# Altium PCB radioboard.PcbDoc (part 4 of 9) (continued)
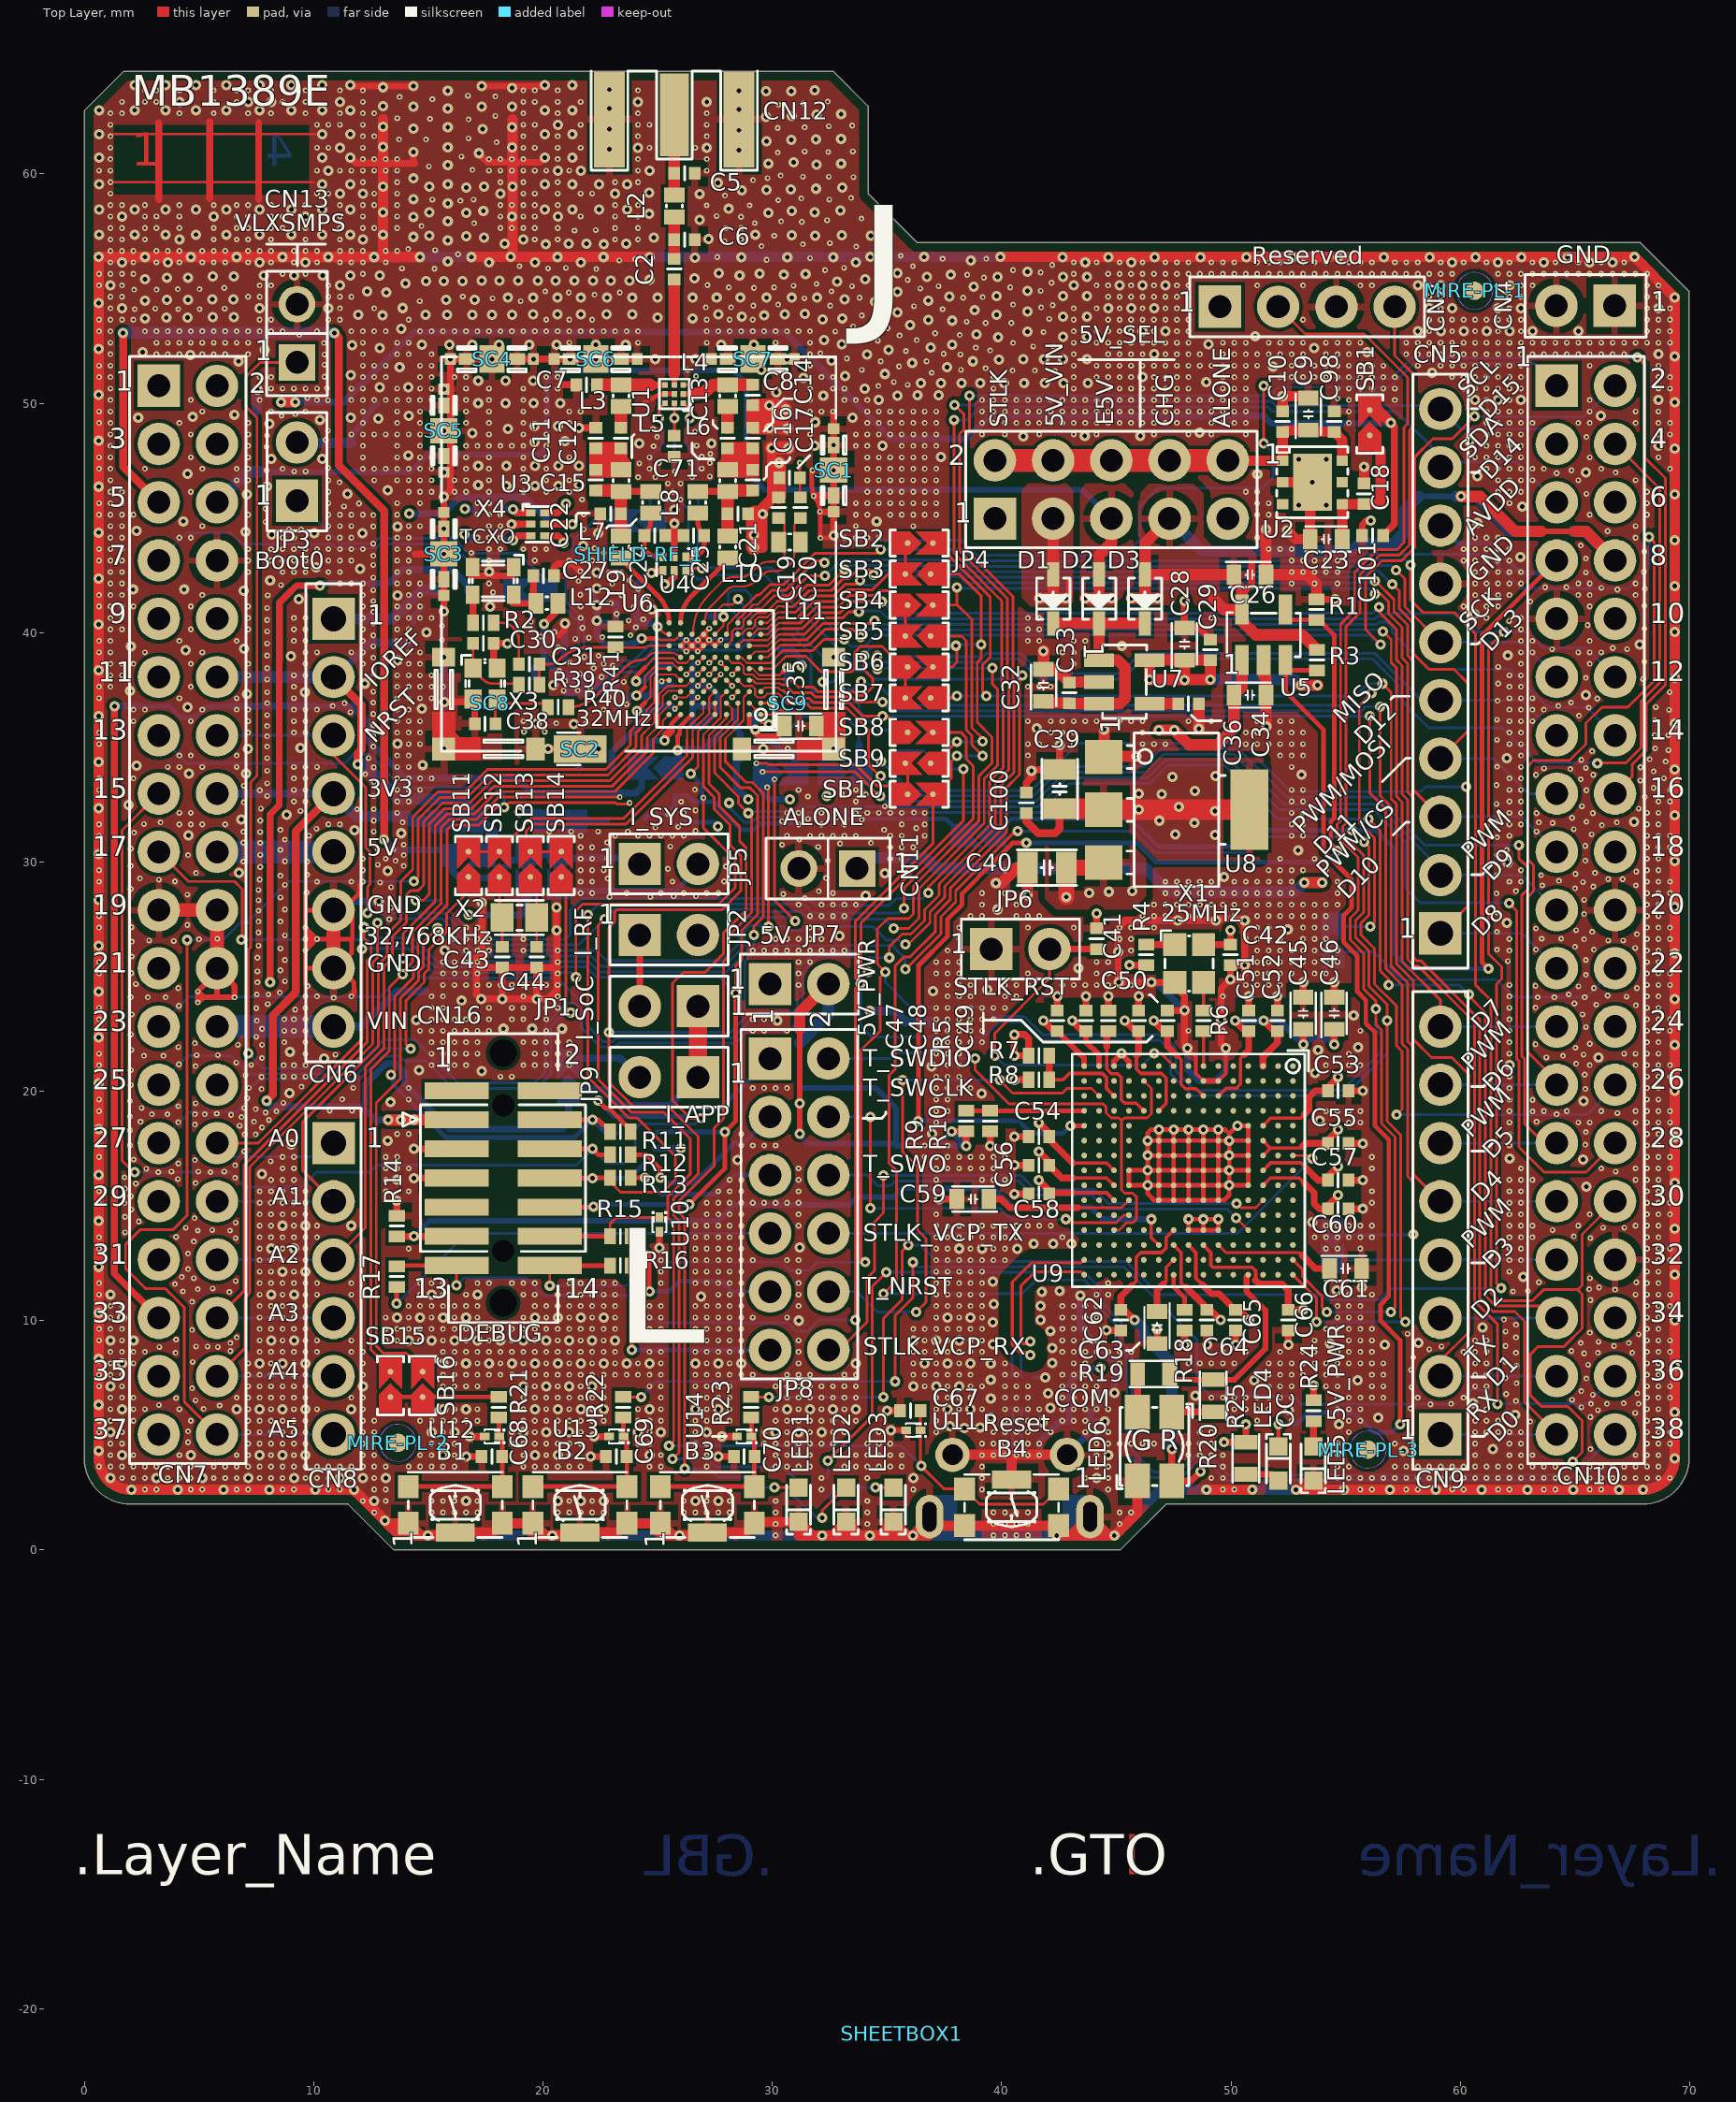
[diagram p0: Top Layer view]
## Nets (pads, with @x,y where several pads share a name; then routed paths per layer and width w, separated by ;. In a path a pad name is that pad's centre, name@x,y a point inside that pad or via, vN(x,y) a via of type N, cw(c..) or ccw(c..) an arc to the next point about the centre after c; other vN are vias at no path point) (continued)
55.143,14.638 56.643,14.638 57.143,14.638 57.643,14.638 60.643,14.638 61.143,14.638 61.643,14.638 62.143,14.638 62.643,14.638 63.143,14.638 65.643,14.638 68.143,14.638 0.643,15.138 1.143,15.138 1.643,15.138 12.143,15.138 12.643,15.138 13.143,15.138 14.143,15.138 14.643,15.138 15.143,15.138 15.643,15.138 16.143,15.138 16.643,15.138 17.143,15.138 18.643,15.138 19.143,15.138 19.643,15.138 20.143,15.138 20.643,15.138 21.143,15.138 21.643,15.138 51.143,15.138 52.143,15.138 52.643,15.138 53.143,15.138 53.643,15.138 54.143,15.138 55.143,15.138 56.143,15.138 56.643,15.138 57.143,15.138 57.643,15.138 68.143,15.138 0.643,15.638 1.143,15.638 1.643,15.638 2.143,15.638 4.643,15.638 12.143,15.638 12.643,15.638 13.143,15.638 14.143,15.638 14.643,15.638 15.143,15.638 15.643,15.638 16.143,15.638 16.643,15.638 18.143,15.638 18.643,15.638 19.143,15.638 31.143,15.638 44.643,15.638 45.143,15.638 45.643,15.638 47.143,15.638 47.643,15.638 48.143,15.638 48.643,15.638 49.143,15.638 50.643,15.638 51.143,15.638 51.643,15.638 52.643,15.638 53.143,15.638 53.643,15.638 54.143,15.638 55.143,15.638 55.643,15.638 56.143,15.638 56.643,15.638 57.143,15.638 57.643,15.638 60.643,15.638 61.143,15.638 61.643,15.638 62.143,15.638 62.643,15.638 68.143,15.638 1.143,16.138 1.643,16.138 4.143,16.138 4.643,16.138 7.143,16.138 8.143,16.138 8.643,16.138 9.143,16.138 11.643,16.138 12.143,16.138 12.643,16.138 13.143,16.138 15.143,16.138 15.643,16.138 16.143,16.138 17.643,16.138 18.143,16.138 18.643,16.138 20.143,16.138 20.643,16.138 21.143,16.138 21.643,16.138 27.643,16.138 31.143,16.138 42.143,16.138 42.643,16.138 43.143,16.138 43.643,16.138 44.143,16.138 44.643,16.138 45.143,16.138 45.643,16.138 47.143,16.138 47.643,16.138 48.143,16.138 48.643,16.138 49.143,16.138 50.643,16.138 51.143,16.138 51.643,16.138 52.143,16.138 53.143,16.138 53.643,16.138 54.143,16.138 55.143,16.138 56.643,16.138 57.143,16.138 57.643,16.138 58.143,16.138 60.143,16.138 60.643,16.138 61.143,16.138 61.643,16.138 62.143,16.138 62.643,16.138 63.143,16.138 67.643,16.138 68.143,16.138 1.143,16.638 1.643,16.638 6.643,16.638 7.143,16.638 8.643,16.638 9.143,16.638 9.643,16.638 26.143,16.638 28.143,16.638 31.143,16.638 36.643,16.638 37.143,16.638 37.643,16.638 39.143,16.638 39.643,16.638 41.143,16.638 42.143,16.638 42.643,16.638 43.143,16.638 43.643,16.638 44.143,16.638 44.643,16.638 45.143,16.638 45.643,16.638 47.143,16.638 47.643,16.638 48.143,16.638 48.643,16.638 49.143,16.638 50.643,16.638 51.143,16.638 51.643,16.638 52.143,16.638 52.643,16.638 54.143,16.638 55.143,16.638 55.643,16.638 56.143,16.638 56.643,16.638 57.143,16.638 57.643,16.638 58.143,16.638 58.643,16.638 59.643,16.638 60.143,16.638 60.643,16.638 61.143,16.638 61.643,16.638 62.643,16.638 63.143,16.638 63.643,16.638 64.643,16.638 65.643,16.638 66.143,16.638 67.143,16.638 67.643,16.638 68.143,16.638 0.643,17.138 1.143,17.138 1.643,17.138 2.143,17.138 12.143,17.138 12.643,17.138 13.143,17.138 13.643,17.138 15.143,17.138 16.643,17.138 17.143,17.138 17.643,17.138 19.143,17.138 19.643,17.138 20.143,17.138 20.643,17.138 21.143,17.138 26.643,17.138 31.143,17.138 33.643,17.138 34.143,17.138 34.643,17.138 35.143,17.138 36.643,17.138 37.143,17.138 37.643,17.138 39.143,17.138 39.643,17.138 40.143,17.138 41.143,17.138 42.143,17.138 42.643,17.138 43.143,17.138 43.643,17.138 44.143,17.138 44.643,17.138 45.143,17.138 45.643,17.138 47.143,17.138 47.643,17.138 48.143,17.138 48.643,17.138 49.143,17.138 50.643,17.138 51.143,17.138 51.643,17.138 52.143,17.138 52.643,17.138 54.143,17.138 55.143,17.138 55.643,17.138 56.143,17.138 56.643,17.138 57.143,17.138 57.643,17.138 60.143,17.138 60.643,17.138 61.143,17.138 61.643,17.138 62.643,17.138 63.143,17.138 68.143,17.138 0.643,17.638 1.143,17.638 1.643,17.638 7.143,17.638 7.643,17.638 8.143,17.638 9.643,17.638 12.143,17.638 12.643,17.638 16.143,17.638 16.643,17.638 17.143,17.638 18.643,17.638 19.143,17.638 19.643,17.638 20.143,17.638 20.643,17.638 21.143,17.638 21.643,17.638 26.643,17.638 27.143,17.638 40.143,17.638 41.143,17.638 42.143,17.638 42.643,17.638 43.143,17.638 43.643,17.638 44.143,17.638 44.643,17.638 45.143,17.638 45.643,17.638 47.143,17.638 47.643,17.638 48.143,17.638 48.643,17.638 49.143,17.638 50.643,17.638 51.143,17.638 51.643,17.638 52.143,17.638 52.643,17.638 53.143,17.638 53.643,17.638 54.143,17.638 55.143,17.638 56.643,17.638 57.143,17.638 57.643,17.638 68.143,17.638 1.143,18.138 1.643,18.138 2.143,18.138 7.143,18.138 7.643,18.138 8.143,18.138 8.643,18.138 9.143,18.138 9.643,18.138 12.143,18.138 12.643,18.138 13.643,18.138 14.143,18.138 14.643,18.138 38.643,18.138 39.143,18.138 39.643,18.138 43.643,18.138 44.143,18.138 44.643,18.138 45.143,18.138 45.643,18.138 50.643,18.138 51.143,18.138 51.643,18.138 55.143,18.138 56.143,18.138 56.643,18.138 57.143,18.138 57.643,18.138 65.643,18.138 68.143,18.138 1.143,18.638 1.643,18.638 2.143,18.638 6.643,18.638 7.143,18.638 7.643,18.638 8.143,18.638 8.643,18.638 9.143,18.638 9.643,18.638 12.143,18.638 42.143,18.638 43.643,18.638 44.143,18.638 44.643,18.638 45.143,18.638 45.643,18.638 46.143,18.638 51.143,18.638 52.643,18.638 53.143,18.638 55.143,18.638 55.643,18.638 56.143,18.638 56.643,18.638 57.643,18.638 58.143,18.638 65.143,18.638 65.643,18.638 67.643,18.638 68.143,18.638 0.643,19.138 1.143,19.138 1.643,19.138 2.143,19.138 2.643,19.138 3.643,19.138 4.143,19.138 7.143,19.138 7.643,19.138 17.143,19.138 19.143,19.138 19.643,19.138 20.143,19.138 36.643,19.138 37.143,19.138 37.643,19.138 38.143,19.138 38.643,19.138 39.143,19.138 39.643,19.138 40.143,19.138 40.643,19.138 41.143,19.138 42.143,19.138 42.643,19.138 43.143,19.138 43.643,19.138 44.143,19.138 44.643,19.138 45.143,19.138 45.643,19.138 46.143,19.138 46.643,19.138 47.143,19.138 47.643,19.138 48.143,19.138 48.643,19.138 49.143,19.138 49.643,19.138 50.143,19.138 50.643,19.138 52.143,19.138 52.643,19.138 53.143,19.138 53.643,19.138 54.143,19.138 55.143,19.138 55.643,19.138 56.143,19.138 56.643,19.138 66.143,19.138 67.143,19.138 67.643,19.138 68.143,19.138 0.643,19.638 1.143,19.638 1.643,19.638 2.143,19.638 4.643,19.638 15.643,19.638 16.643,19.638 17.143,19.638 19.143,19.638 19.643,19.638 35.643,19.638 37.143,19.638 37.643,19.638 38.143,19.638 38.643,19.638 39.643,19.638 40.143,19.638 40.643,19.638 41.143,19.638 42.143,19.638 42.643,19.638 43.143,19.638 43.643,19.638 44.143,19.638 44.643,19.638 45.143,19.638 45.643,19.638 46.143,19.638 46.643,19.638 47.143,19.638 47.643,19.638 56.143,19.638 56.643,19.638 57.143,19.638 57.643,19.638 58.143,19.638 68.143,19.638 1.143,20.138 1.643,20.138 8.143,20.138 9.643,20.138 10.143,20.138 10.643,20.138 11.143,20.138 11.643,20.138 15.143,20.138 15.643,20.138 36.143,20.138 37.643,20.138 38.143,20.138 38.643,20.138 41.143,20.138 56.643,20.138 57.143,20.138 57.643,20.138 68.143,20.138 1.143,20.638 1.643,20.638 4.643,20.638 15.143,20.638 33.643,20.638 34.143,20.638 50.643,20.638 51.143,20.638 51.643,20.638 52.143,20.638 52.643,20.638 53.143,20.638 54.143,20.638 56.643,20.638 57.143,20.638 57.643,20.638 60.643,20.638 61.143,20.638 61.643,20.638 62.143,20.638 62.643,20.638 68.143,20.638 0.643,21.138 1.143,21.138 1.643,21.138 2.143,21.138 4.643,21.138 16.643,21.138 19.143,21.138 19.643,21.138 35.643,21.138 36.143,21.138 46.643,21.138 48.143,21.138 48.643,21.138 49.143,21.138 49.643,21.138 50.143,21.138 50.643,21.138 51.143,21.138 51.643,21.138 52.143,21.138 52.643,21.138 53.143,21.138 54.143,21.138 55.143,21.138 57.143,21.138 57.643,21.138 58.143,21.138 60.143,21.138 60.643,21.138 61.143,21.138 61.643,21.138 62.643,21.138 63.143,21.138 65.143,21.138 65.643,21.138 67.643,21.138 68.143,21.138 0.643,21.638 1.143,21.638 1.643,21.638 2.143,21.638 2.643,21.638 3.143,21.638 3.643,21.638 4.143,21.638 7.643,21.638 8.143,21.638 9.643,21.638 16.143,21.638 16.643,21.638 17.143,21.638 19.643,21.638 48.643,21.638 49.143,21.638 50.643,21.638 51.143,21.638 51.643,21.638 52.143,21.638 52.643,21.638 55.143,21.638 57.143,21.638 57.643,21.638 58.143,21.638 58.643,21.638 59.143,21.638 59.643,21.638 60.143,21.638 60.643,21.638 61.143,21.638 61.643,21.638 62.143,21.638 62.643,21.638 63.143,21.638 63.643,21.638 64.143,21.638 64.643,21.638 65.143,21.638 66.643,21.638 67.143,21.638 67.643,21.638 68.143,21.638 1.143,22.138 1.643,22.138 2.143,22.138 4.643,22.138 15.643,22.138 16.143,22.138 16.643,22.138 17.143,22.138 19.143,22.138 19.643,22.138 48.643,22.138 49.143,22.138 50.643,22.138 51.143,22.138 51.643,22.138 52.143,22.138 56.143,22.138 57.143,22.138 57.643,22.138 58.143,22.138 60.143,22.138 60.643,22.138 61.143,22.138 61.643,22.138 62.143,22.138 62.643,22.138 63.143,22.138 65.643,22.138 68.143,22.138 1.143,22.638 1.643,22.638 15.143,22.638 15.643,22.638 16.143,22.638 16.643,22.638 17.143,22.638 17.643,22.638 47.643,22.638 48.143,22.638 48.643,22.638 49.143,22.638 49.643,22.638 50.643,22.638 51.143,22.638 51.643,22.638 53.143,22.638 55.143,22.638 55.643,22.638 57.143,22.638 57.643,22.638 68.143,22.638 0.643,23.138 1.143,23.138 1.643,23.138 4.643,23.138 15.143,23.138 15.643,23.138 35.643,23.138 36.143,23.138 47.143,23.138 47.643,23.138 48.643,23.138 52.643,23.138 53.143,23.138 53.643,23.138 57.643,23.138 60.643,23.138 61.143,23.138 61.643,23.138 62.143,23.138 62.643,23.138 68.143,23.138 0.643,23.638 1.143,23.638 1.643,23.638 2.143,23.638 4.643,23.638 15.143,23.638 20.143,23.638 40.643,23.638 41.143,23.638 41.643,23.638 42.143,23.638 42.643,23.638 43.143,23.638 43.643,23.638 44.143,23.638 44.643,23.638 46.143,23.638 46.643,23.638 47.143,23.638 48.643,23.638 49.143,23.638 49.643,23.638 50.143,23.638 50.643,23.638 51.143,23.638 51.643,23.638 52.143,23.638 52.643,23.638 53.143,23.638 53.643,23.638 57.143,23.638 57.643,23.638 58.143,23.638 60.143,23.638 60.643,23.638 61.143,23.638 61.643,23.638 62.143,23.638 62.643,23.638 63.143,23.638 65.143,23.638 65.643,23.638 67.643,23.638 68.143,23.638 1.143,24.138 1.643,24.138 2.143,24.138 2.643,24.138 3.143,24.138 3.643,24.138 19.143,24.138 34.643,24.138 38.643,24.138 41.143,24.138 41.643,24.138 43.143,24.138 46.643,24.138 47.143,24.138 47.643,24.138 48.143,24.138 48.643,24.138 49.143,24.138 49.643,24.138 50.143,24.138 52.643,24.138 53.143,24.138 53.643,24.138 54.143,24.138 55.643,24.138 56.143,24.138 56.643,24.138 57.143,24.138 57.643,24.138 58.143,24.138 58.643,24.138 59.143,24.138 59.643,24.138 61.143,24.138 61.643,24.138 66.143,24.138 66.643,24.138 67.143,24.138 67.643,24.138 68.143,24.138 1.143,24.638 1.643,24.638 2.143,24.638 4.643,24.638 7.143,24.638 7.643,24.638 9.143,24.638 9.643,24.638 12.143,24.638 12.643,24.638 35.643,24.638 37.643,24.638 44.143,24.638 44.643,24.638 47.143,24.638 47.643,24.638 48.143,24.638 48.643,24.638 49.143,24.638 50.643,24.638 51.143,24.638 51.643,24.638 52.143,24.638 52.643,24.638 53.643,24.638 56.143,24.638 65.143,24.638 68.143,24.638 0.643,25.138 1.143,25.138 1.643,25.138 7.143,25.138 7.643,25.138 8.643,25.138 9.143,25.138 12.143,25.138 12.643,25.138 13.143,25.138 37.643,25.138 41.143,25.138 42.643,25.138 44.643,25.138 46.143,25.138 47.143,25.138 47.643,25.138 48.143,25.138 48.643,25.138 49.143,25.138 51.143,25.138 51.643,25.138 52.143,25.138 52.643,25.138 53.643,25.138 55.143,25.138 56.643,25.138 68.143,25.138 0.643,25.638 1.143,25.638 1.643,25.638 7.143,25.638 7.643,25.638 8.143,25.638 8.643,25.638 9.143,25.638 12.143,25.638 12.643,25.638 13.143,25.638 37.643,25.638 44.643,25.638 46.643,25.638 47.143,25.638 47.643,25.638 48.143,25.638 48.643,25.638 49.143,25.638 49.643,25.638 50.143,25.638 51.143,25.638 51.643,25.638 52.143,25.638 52.643,25.638 53.143,25.638 53.643,25.638 55.643,25.638 68.143,25.638 1.143,26.138 1.643,26.138 2.143,26.138 4.143,26.138 4.643,26.138 7.143,26.138 7.643,26.138 8.143,26.138 8.643,26.138 9.143,26.138 37.643,26.138 45.643,26.138 47.143,26.138 47.643,26.138 48.143,26.138 48.643,26.138 49.143,26.138 49.643,26.138 50.143,26.138 50.643,26.138 51.143,26.138 51.643,26.138 52.143,26.138 52.643,26.138 53.143,26.138 53.643,26.138 65.143,26.138 65.643,26.138 67.643,26.138 68.143,26.138 1.143,26.638 1.643,26.638 2.143,26.638 2.643,26.638 3.143,26.638 3.643,26.638 15.143,26.638 37.643,26.638 44.643,26.638 45.143,26.638 45.643,26.638 46.143,26.638 50.643,26.638 51.143,26.638 51.643,26.638 52.143,26.638 53.143,26.638 53.643,26.638 55.643,26.638 56.143,26.638 63.643,26.638 64.143,26.638 64.643,26.638 65.143,26.638 65.643,26.638 66.143,26.638 66.643,26.638 67.143,26.638 67.643,26.638 68.143,26.638 0.643,27.138 1.143,27.138 1.643,27.138 2.143,27.138 4.643,27.138 7.643,27.138 8.143,27.138 8.643,27.138 9.143,27.138 14.643,27.138 18.143,27.138 18.643,27.138 19.143,27.138 19.643,27.138 20.143,27.138 36.143,27.138 37.643,27.138 41.143,27.138 44.143,27.138 44.643,27.138 45.143,27.138 45.643,27.138 46.143,27.138 46.643,27.138 47.143,27.138 48.143,27.138 48.643,27.138 51.143,27.138 51.643,27.138 53.143,27.138 53.643,27.138 63.143,27.138 65.143,27.138 65.643,27.138 68.143,27.138 0.643,27.638 1.143,27.638 1.643,27.638 8.143,27.638 8.643,27.638 9.143,27.638 19.643,27.638 20.143,27.638 36.143,27.638 37.643,27.638 39.143,27.638 40.643,27.638 41.143,27.638 41.643,27.638 42.143,27.638 43.643,27.638 44.643,27.638 45.143,27.638 45.643,27.638 46.143,27.638 46.643,27.638 47.143,27.638 48.143,27.638 48.643,27.638 50.143,27.638 51.143,27.638 51.643,27.638 52.143,27.638 52.643,27.638 53.143,27.638 53.643,27.638 55.643,27.638 60.643,27.638 61.143,27.638 61.643,27.638 62.643,27.638 68.143,27.638 1.143,28.138 1.643,28.138 7.143,28.138 8.643,28.138 9.143,28.138 16.143,28.138 18.143,28.138 18.643,28.138 38.143,28.138 40.643,28.138 41.643,28.138 42.143,28.138 46.643,28.138 47.143,28.138 47.643,28.138 48.143,28.138 48.643,28.138 49.143,28.138 49.643,28.138 50.143,28.138 50.643,28.138 51.143,28.138 51.643,28.138 52.143,28.138 52.643,28.138 53.143,28.138 53.643,28.138 54.143,28.138 54.643,28.138 55.143,28.138 55.643,28.138 56.143,28.138 62.643,28.138 68.143,28.138 1.143,28.638 1.643,28.638 2.143,28.638 4.643,28.638 7.143,28.638 7.643,28.638 9.143,28.638 9.643,28.638 12.143,28.638 15.143,28.638 16.143,28.638 16.643,28.638 17.643,28.638 18.143,28.638 32.643,28.638 33.143,28.638 34.643,28.638 38.143,28.638 38.643,28.638 41.643,28.638 54.643,28.638 55.143,28.638 55.643,28.638 56.143,28.638 60.143,28.638 60.643,28.638 61.143,28.638 61.643,28.638 62.643,28.638 65.143,28.638 65.643,28.638 68.143,28.638 0.643,29.138 1.143,29.138 1.643,29.138 2.143,29.138 2.643,29.138 3.143,29.138 3.643,29.138 4.143,29.138 4.643,29.138 5.143,29.138 6.143,29.138 7.143,29.138 7.643,29.138 8.143,29.138 28.143,29.138 28.643,29.138 29.143,29.138 29.643,29.138 30.143,29.138 36.643,29.138 38.143,29.138 38.643,29.138 39.143,29.138 41.643,29.138 54.643,29.138 55.143,29.138 55.643,29.138 56.143,29.138 63.643,29.138 64.143,29.138 64.643,29.138 65.143,29.138 65.643,29.138 66.143,29.138 66.643,29.138 67.143,29.138 67.643,29.138 68.143,29.138 0.643,29.638 1.143,29.638 1.643,29.638 2.143,29.638 4.143,29.638 4.643,29.638 7.643,29.638 8.143,29.638 8.643,29.638 9.143,29.638 9.643,29.638 28.143,29.638 28.643,29.638 29.143,29.638 29.643,29.638 47.143,29.638 47.643,29.638 48.143,29.638 48.643,29.638 49.143,29.638 50.143,29.638 50.643,29.638 51.143,29.638 51.643,29.638 52.143,29.638 52.643,29.638 53.143,29.638 54.643,29.638 55.143,29.638 55.643,29.638 56.143,29.638 63.143,29.638 65.143,29.638 65.643,29.638 67.643,29.638 68.143,29.638 1.143,30.138 1.643,30.138 4.643,30.138 12.643,30.138 13.143,30.138 55.143,30.138 55.643,30.138 56.143,30.138 60.143,30.138 60.643,30.138 61.143,30.138 61.643,30.138 62.643,30.138 68.143,30.138 1.143,30.638 1.643,30.638 12.143,30.638 28.643,30.638 29.143,30.638 40.643,30.638 51.643,30.638 52.143,30.638 68.143,30.638 0.643,31.138 1.143,31.138 1.643,31.138 2.143,31.138 28.143,31.138 29.643,31.138 32.143,31.138 34.643,31.138 35.143,31.138 36.643,31.138 60.143,31.138 60.643,31.138 61.143,31.138 61.643,31.138 62.143,31.138 65.643,31.138 68.143,31.138 0.643,31.638 1.143,31.638 1.643,31.638 2.143,31.638 2.643,31.638 3.143,31.638 3.643,31.638 4.143,31.638 4.643,31.638 5.143,31.638 5.643,31.638 6.143,31.638 7.643,31.638 8.143,31.638 9.143,31.638 9.643,31.638 10.143,31.638 10.643,31.638 11.143,31.638 60.643,31.638 61.143,31.638 61.643,31.638 62.143,31.638 63.643,31.638 64.143,31.638 64.643,31.638 65.143,31.638 65.643,31.638 66.143,31.638 66.643,31.638 68.143,31.638 1.143,32.138 4.143,32.138 4.643,32.138 7.643,32.138 8.143,32.138 9.643,32.138 63.143,32.138 65.143,32.138 65.643,32.138 68.143,32.138 1.143,32.638 4.643,32.638 60.143,32.638 60.643,32.638 61.143,32.638 61.643,32.638 62.143,32.638 62.643,32.638 68.143,32.638 0.643,33.138 1.143,33.138 1.643,33.138 28.143,33.138 28.643,33.138 61.143,33.138 61.643,33.138 62.143,33.138 68.143,33.138 0.643,33.638 1.143,33.638 1.643,33.638 2.143,33.638 8.643,33.638 9.143,33.638 9.643,33.638 20.643,33.638 28.143,33.638 28.643,33.638 39.643,33.638 40.143,33.638 40.643,33.638 53.643,33.638 55.143,33.638 55.643,33.638 56.143,33.638 57.643,33.638 58.143,33.638 60.643,33.638 61.143,33.638 61.643,33.638 63.143,33.638 65.643,33.638 68.143,33.638 1.143,34.138 1.643,34.138 3.643,34.138 4.143,34.138 19.143,34.138 20.143,34.138 20.643,34.138 27.143,34.138 27.643,34.138 39.643,34.138 40.143,34.138 40.643,34.138 52.143,34.138 52.643,34.138 53.643,34.138 55.143,34.138 55.643,34.138 56.143,34.138 57.643,34.138 60.643,34.138 61.143,34.138 62.643,34.138 67.143,34.138 67.643,34.138 68.143,34.138 1.143,34.638 1.643,34.638 6.643,34.638 7.643,34.638 8.643,34.638 13.643,34.638 15.143,34.638 19.143,34.638 20.643,34.638 40.143,34.638 40.643,34.638 41.143,34.638 41.643,34.638 42.143,34.638 43.643,34.638 44.143,34.638 44.643,34.638 45.143,34.638 51.643,34.638 52.143,34.638 52.643,34.638 53.143,34.638 54.643,34.638 55.143,34.638 55.643,34.638 56.143,34.638 57.643,34.638 67.643,34.638 68.143,34.638 0.643,35.138 1.143,35.138 1.643,35.138 7.643,35.138 8.643,35.138 13.143,35.138 14.643,35.138 15.143,35.138 19.143,35.138 21.143,35.138 39.643,35.138 40.143,35.138 40.643,35.138 41.143,35.138 41.643,35.138 51.143,35.138 51.643,35.138 52.143,35.138 52.643,35.138 54.143,35.138 54.643,35.138 55.143,35.138 55.643,35.138 57.143,35.138 57.643,35.138 58.143,35.138 60.143,35.138 60.643,35.138 61.143,35.138 61.643,35.138 68.143,35.138 0.643,35.638 1.143,35.638 1.643,35.638 13.143,35.638 13.643,35.638 14.643,35.638 15.143,35.638 15.643,35.638 16.143,35.638 16.643,35.638 17.143,35.638 17.643,35.638 19.143,35.638 23.143,35.638 39.643,35.638 40.143,35.638 40.643,35.638 42.143,35.638 42.643,35.638 43.143,35.638 43.643,35.638 45.143,35.638 48.143,35.638 49.143,35.638 49.643,35.638 51.143,35.638 52.143,35.638 53.643,35.638 54.143,35.638 54.643,35.638 55.143,35.638 56.643,35.638 57.143,35.638 57.643,35.638 58.143,35.638 68.143,35.638 1.143,36.138 1.643,36.138 2.143,36.138 13.143,36.138 13.643,36.138 14.643,36.138 15.143,36.138 15.643,36.138 16.143,36.138 16.643,36.138 17.143,36.138 17.643,36.138 19.143,36.138 23.643,36.138 27.143,36.138 27.643,36.138 28.643,36.138 56.643,36.138 57.143,36.138 57.643,36.138 68.143,36.138 12.643,36.638 13.143,36.638 13.643,36.638 16.143,36.638 16.643,36.638 17.143,36.638 17.643,36.638 18.925,36.65 19.643,36.638 21.143,36.638 21.643,36.638 27.143,36.638 27.643,36.638 28.143,36.638 28.643,36.638 57.143,36.638 66.143,36.638 67.143,36.638 67.643,36.638 68.143,36.638 0.643,37.138 4.143,37.138 12.143,37.138 12.643,37.138 13.143,37.138 13.643,37.138 14.643,37.138 15.143,37.138 16.143,37.138 16.643,37.138 17.143,37.138 17.643,37.138 19.143,37.138 20.143,37.138 27.143,37.138 27.643,37.138 28.143,37.138 28.643,37.138 29.143,37.138 67.643,37.138 68.143,37.138 0.643,37.638 1.143,37.638 4.643,37.638 13.143,37.638 13.643,37.638 14.643,37.638 15.143,37.638 15.643,37.638 16.143,37.638 16.643,37.638 17.143,37.638 17.643,37.638 27.143,37.638 27.643,37.638 28.143,37.638 28.643,37.638 68.143,37.638 18.925,37.65 20.225,38.075 1.143,38.138 1.643,38.138 12.643,38.138 13.143,38.138 13.643,38.138 14.643,38.138 15.143,38.138 16.143,38.138 16.643,38.138 17.143,38.138 17.643,38.138 18.925,38.15 27.143,38.138 27.643,38.138 28.143,38.138 28.643,38.138 68.143,38.138 1.143,38.638 1.643,38.638 2.143,38.638 4.643,38.638 7.143,38.638 7.643,38.638 8.643,38.638 9.643,38.638 12.143,38.638 12.643,38.638 13.143,38.638 14.643,38.638 15.143,38.638 16.143,38.638 16.643,38.638 17.143,38.638 17.643,38.638 19.143,38.638 27.143,38.638 27.643,38.638 28.143,38.638 28.643,38.638 29.143,38.638 29.643,38.638 42.143,38.638 42.643,38.638 43.143,38.638 43.643,38.638 44.143,38.638 44.643,38.638 45.143,38.638 62.643,38.638 63.143,38.638 65.643,38.638 68.143,38.638 0.643,39.138 1.143,39.138 2.643,39.138 5.143,39.138 7.643,39.138 9.643,39.138 10.143,39.138 12.643,39.138 13.143,39.138 15.143,39.138 16.143,39.138 16.643,39.138 17.143,39.138 29.143,39.138 30.643,39.138 31.143,39.138 42.643,39.138 43.143,39.138 43.643,39.138 44.143,39.138 44.643,39.138 45.643,39.138 60.643,39.138 61.143,39.138 62.643,39.138 66.143,39.138 0.643,39.638 1.143,39.638 4.143,39.638 6.643,39.638 7.643,39.638 8.643,39.638 9.143,39.638 9.643,39.638 65.143,39.638 65.643,39.638 1.143,40.138 1.643,40.138 2.143,40.138 4.643,40.138 7.143,40.138 7.643,40.138 8.643,40.138 9.143,40.138 9.643,40.138 25.643,40.138 28.143,40.138 65.643,40.138 68.143,40.138 1.143,40.638 1.643,40.638 7.143,40.638 7.643,40.638 8.643,40.638 9.143,40.638 9.643,40.638 15.143,40.638 16.643,40.638 17.143,40.638 18.143,40.638 19.643,40.638 25.643,40.638 29.643,40.638 30.143,40.638 30.643,40.638 61.143,40.638 61.643,40.638 62.143,40.638 62.643,40.638 68.143,40.638 0.643,41.138 1.143,41.138 1.643,41.138 2.143,41.138 4.643,41.138 7.143,41.138 7.643,41.138 8.643,41.138 12.143,41.138 12.643,41.138 13.143,41.138 25.643,41.138 29.643,41.138 30.143,41.138 60.143,41.138 61.143,41.138 61.643,41.138 62.143,41.138 62.643,41.138 65.643,41.138 68.143,41.138 21.725,41.4 0.643,41.638 1.143,41.638 1.643,41.638 2.643,41.638 5.143,41.638 7.643,41.638 12.143,41.638 12.643,41.638 13.143,41.638 25.143,41.638 25.643,41.638 26.143,41.638 26.643,41.638 27.143,41.638 27.643,41.638 29.643,41.638 60.643,41.638 61.143,41.638 61.643,41.638 62.143,41.638 67.643,41.638 21.475,41.925 1.143,42.138 1.643,42.138 2.643,42.138 7.643,42.138 9.643,42.138 26.143,42.138 27.643,42.138 29.143,42.138 60.643,42.138 61.143,42.138 61.643,42.138 68.643,42.138 21.825,42.45 1.143,42.638 1.643,42.638 2.143,42.638 7.143,42.638 7.643,42.638 8.643,42.638 9.643,42.638 10.643,42.638 11.143,42.638 12.643,42.638 13.143,42.638 17.143,42.638 18.143,42.638 20.643,42.638 60.643,42.638 61.143,42.638 68.643,42.638 69.143,42.638 0.643,43.138 1.143,43.138 1.643,43.138 7.143,43.138 7.643,43.138 8.143,43.138 8.643,43.138 10.643,43.138 11.143,43.138 11.643,43.138 12.643,43.138 13.143,43.138 13.643,43.138 16.143,43.138 20.143,43.138 20.643,43.138 23.643,43.138 24.143,43.138 24.643,43.138 27.643,43.138 28.143,43.138 28.643,43.138 29.143,43.138 29.643,43.138 30.143,43.138 30.643,43.138 31.143,43.138 31.643,43.138 68.643,43.138 69.143,43.138 0.643,43.638 1.143,43.638 1.643,43.638 2.143,43.638 19.643,43.638 20.143,43.638 22.643,43.638 23.143,43.638 23.643,43.638 24.143,43.638 25.643,43.638 27.643,43.638 28.143,43.638 28.643,43.638 30.143,43.638 30.643,43.638 31.143,43.638 31.643,43.638 32.143,43.638 62.143,43.638 63.143,43.638 68.643,43.638 1.143,44.138 1.643,44.138 19.643,44.138 20.143,44.138 25.643,44.138 27.643,44.138 28.143,44.138 28.643,44.138 30.143,44.138 30.643,44.138 31.143,44.138 31.643,44.138 32.143,44.138 51.143,44.138 53.143,44.138 53.643,44.138 54.143,44.138 61.643,44.138 67.643,44.138 1.143,44.638 1.643,44.638 7.643,44.638 11.643,44.638 12.643,44.638 13.143,44.638 14.643,44.638 16.143,44.638 19.143,44.638 19.643,44.638 27.643,44.638 28.143,44.638 28.643,44.638 29.643,44.638 30.143,44.638 30.643,44.638 31.143,44.638 31.643,44.638 32.143,44.638 33.143,44.638 33.643,44.638 35.143,44.638 35.643,44.638 36.143,44.638 37.643,44.638 38.143,44.638 53.143,44.638 53.643,44.638 54.143,44.638 54.643,44.638 56.643,44.638 66.143,44.638 67.643,44.638 68.143,44.638 68.643,44.638 69.143,44.638 0.643,45.138 1.143,45.138 1.643,45.138 2.143,45.138 7.143,45.138 7.643,45.138 11.643,45.138 12.143,45.138 12.643,45.138 13.143,45.138 13.643,45.138 19.143,45.138 20.643,45.138 27.143,45.138 27.643,45.138 28.143,45.138 28.643,45.138 30.143,45.138 30.643,45.138 31.143,45.138 31.643,45.138 32.143,45.138 32.643,45.138 33.143,45.138 33.643,45.138 34.143,45.138 35.143,45.138 35.643,45.138 36.143,45.138 36.643,45.138 38.143,45.138 51.143,45.138 51.643,45.138 52.143,45.138 52.643,45.138 53.643,45.138 54.643,45.138 55.643,45.138 56.643,45.138 63.143,45.138 65.643,45.138 68.143,45.138 68.643,45.138 69.143,45.138 0.643,45.638 1.143,45.638 1.643,45.638 7.643,45.638 13.143,45.638 13.643,45.638 14.643,45.638 15.143,45.638 20.143,45.638 27.643,45.638 28.143,45.638 28.643,45.638 29.143,45.638 30.143,45.638 30.643,45.638 31.143,45.638 31.643,45.638 32.143,45.638 32.643,45.638 33.143,45.638 33.643,45.638 34.143,45.638 34.643,45.638 35.143,45.638 35.643,45.638 36.143,45.638 36.643,45.638 37.143,45.638 51.143,45.638 51.643,45.638 52.143,45.638 53.643,45.638 54.643,45.638 55.643,45.638 56.143,45.638 56.643,45.638 57.143,45.638 62.143,45.638 68.143,45.638 68.643,45.638 1.143,46.138 1.643,46.138 2.143,46.138 4.643,46.138 14.143,46.138 14.643,46.138 15.143,46.138 20.143,46.138 27.643,46.138 28.143,46.138 28.643,46.138 29.143,46.138 52.143,46.138 52.643,46.138 53.143,46.138 54.143,46.138 54.643,46.138 55.643,46.138 56.143,46.138 56.643,46.138 57.143,46.138 57.643,46.138 61.643,46.138 62.143,46.138 62.643,46.138 65.643,46.138 68.143,46.138 68.643,46.138 1.143,46.638 1.643,46.638 2.143,46.638 11.643,46.638 13.643,46.638 14.143,46.638 14.643,46.638 15.143,46.638 16.143,46.638 16.643,46.638 17.643,46.638 19.143,46.638 20.143,46.638 21.143,46.638 22.143,46.638 22.643,46.638 23.143,46.638 23.643,46.638 27.643,46.638 28.143,46.638 28.643,46.638 30.143,46.638 30.643,46.638 31.143,46.638 31.643,46.638 32.143,46.638 33.143,46.638 33.643,46.638 34.143,46.638 34.643,46.638 35.143,46.638 35.643,46.638 36.143,46.638 36.643,46.638 37.143,46.638 37.643,46.638 38.143,46.638 52.143,46.638 52.643,46.638 54.143,46.638 54.643,46.638 55.643,46.638 56.143,46.638 56.643,46.638 57.143,46.638 57.643,46.638 61.643,46.638 62.143,46.638 62.643,46.638 65.143,46.638 67.643,46.638 68.143,46.638 68.643,46.638 69.143,46.638 0.643,47.138 1.143,47.138 1.643,47.138 2.143,47.138 2.643,47.138 5.143,47.138 15.143,47.138 16.143,47.138 16.643,47.138 17.643,47.138 19.143,47.138 20.143,47.138 22.143,47.138 22.643,47.138 23.143,47.138 23.643,47.138 28.143,47.138 29.643,47.138 31.143,47.138 31.643,47.138 32.143,47.138 33.143,47.138 33.643,47.138 34.143,47.138 34.643,47.138 35.143,47.138 35.643,47.138 36.143,47.138 36.643,47.138 37.143,47.138 37.643,47.138 38.143,47.138 52.143,47.138 52.643,47.138 53.643,47.138 54.643,47.138 56.643,47.138 57.143,47.138 57.643,47.138 63.643,47.138 66.143,47.138 67.643,47.138 68.143,47.138 68.643,47.138 69.143,47.138 0.643,47.638 1.143,47.638 1.643,47.638 2.143,47.638 4.643,47.638 7.143,47.638 7.643,47.638 13.643,47.638 21.143,47.638 22.143,47.638 22.643,47.638 23.143,47.638 29.643,47.638 31.143,47.638 31.643,47.638 32.143,47.638 32.643,47.638 33.143,47.638 33.643,47.638 34.143,47.638 34.643,47.638 35.143,47.638 35.643,47.638 36.143,47.638 36.643,47.638 38.143,47.638 51.143,47.638 52.143,47.638 53.643,47.638 54.643,47.638 56.143,47.638 56.643,47.638 57.143,47.638 57.643,47.638 63.143,47.638 65.643,47.638 68.143,47.638 68.643,47.638 1.143,48.138 1.643,48.138 7.143,48.138 7.643,48.138 17.643,48.138 21.643,48.138 22.143,48.138 22.643,48.138 23.143,48.138 28.143,48.138 33.643,48.138 34.143,48.138 52.143,48.138 52.643,48.138 53.143,48.138 53.643,48.138 54.143,48.138 54.643,48.138 55.643,48.138 56.143,48.138 56.643,48.138 57.143,48.138 57.643,48.138 58.143,48.138 61.143,48.138 61.643,48.138 62.143,48.138 62.643,48.138 68.143,48.138 23.768,48.288 1.143,48.638 1.643,48.638 2.143,48.638 4.643,48.638 7.143,48.638 7.643,48.638 17.643,48.638 19.143,48.638 22.143,48.638 22.643,48.638 23.143,48.638 23.643,48.638 28.143,48.638 31.143,48.638